# Altium PCB EDR Project pcb.PcbDoc (continued)
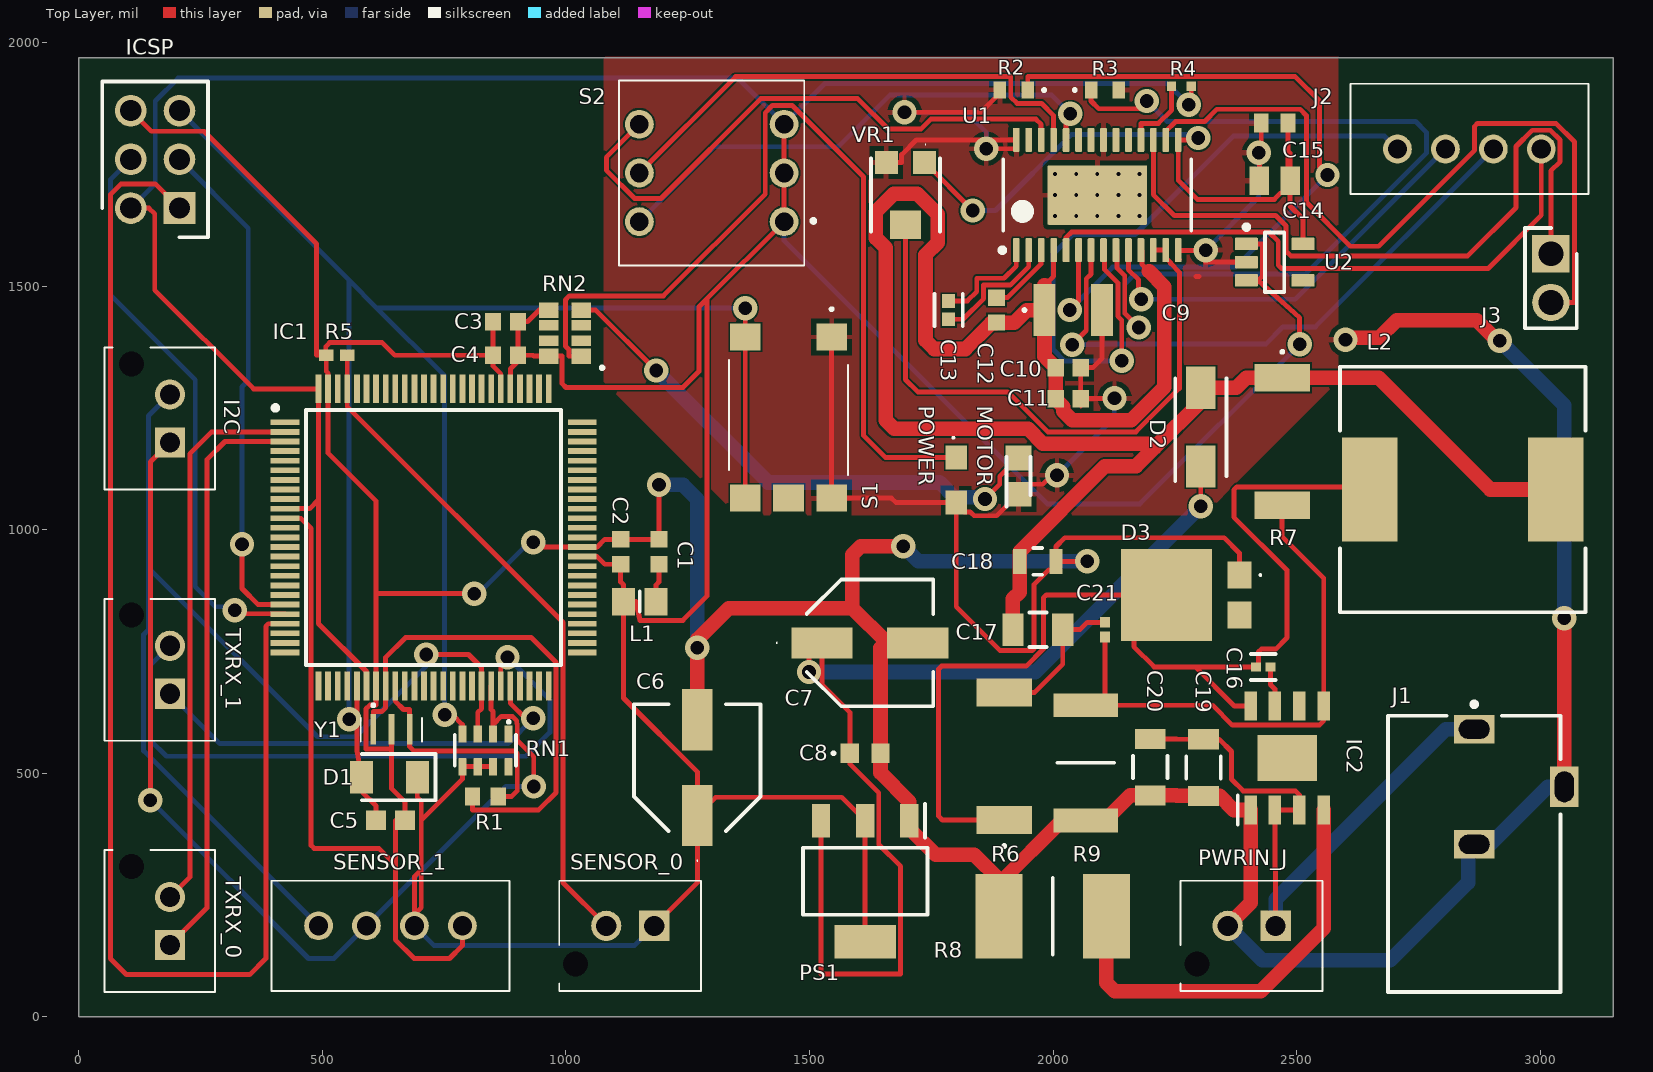
[diagram p0: Top Layer view]
## Part data (continued)
D2: "Integrated Circuit", Manufacturer_Name="Comchip Technology", Mouser Part Number=750-CGRA4007-G, Arrow Part Number=CGRA4007-G, Arrow Price/Stock=https://www.arrow.com/en/products/cgra4007-g/comchip-technology, Datasheet Link=http://www.mouser.com/datasheet/2/80/CGRA4001-G_Thru647977._CGRA4007-G_RevE-1481051.pdf, Height=2.29mm, Manufacturer_Part_Number=CGRA4007-G, Mouser Price/Stock=https://www.mouser.co.uk/ProductDetail/Comchip-Technology/CGRA4007-G?qs=tw%252BuQ%2FB6PO1Jgp22ji8v0g%3D%3D
D3: "Diode", Arrow Part Number=V8P12-M3/86A, Manufacturer_Name=Vishay, Mouser Part Number=78-V8P12-M3/86A, Arrow Price/Stock=https://www.arrow.com/en/products/v8p12-m386a/vishay?region=nac, Datasheet Link=https://www.vishay.com/docs/89170/v8p12.pdf, Height=1.2mm, Manufacturer_Part_Number=V8P12-M3/86A, Mouser Price/Stock=https://www.mouser.co.uk/ProductDetail/Vishay-General-Semiconductor/V8P12-M3-86A?qs=HSPD0Bff7iYR%2FGS73JOLOg%3D%3D, Name="Schottkey diode"
I2C PWRIN_J SENSOR_0 TXRX_0 TXRX_1: "Connector", Arrow Part Number=B2B-XH-AM(LF)(SN), Manufacturer_Name="JST (JAPAN SOLDERLESS TERMINALS)", Arrow Price/Stock=https://www.arrow.com/en/products/b2b-xh-am-lf-sn/jst-manufacturing?region=europe, Datasheet Link=https://www.jst-mfg.com/product/pdf/eng/eXH.pdf, Height=7mm, Manufacturer_Part_Number=B2B-XH-AM(LF)(SN), Name=2-JST
IC1: "Integrated Circuit", Manufacturer_Name=Microchip, Mouser Part Number=556-ATMEGA2560-16AUR, Arrow Part Number=ATMEGA2560-16AUR, Arrow Price/Stock=https://www.arrow.com/en/products/atmega2560-16aur/microchip-technology?region=nac, Datasheet Link=http://ww1.microchip.com/downloads/en/DeviceDoc/Atmel-2549-8-bit-AVR-Microcontroller-ATmega640-1280-1281-2560-2561_datasheet.pdf, Height=1.2mm, Manufacturer_Part_Number=ATMEGA2560-16AUR, Mouser Price/Stock=https://www.mouser.co.uk/ProductDetail/Microchip-Technology/ATMEGA2560-16AUR?qs=6Dg1WZIWLC5tcX5fO8xzXQ%3D%3D
IC2: "Integrated Circuit", Manufacturer_Name="Texas Instruments", Mouser Part Number=595-LM5012DDAR, Arrow Part Number=LM5012DDAR, Arrow Price/Stock=https://www.arrow.com/en/products/lm5012ddar/texas-instruments?region=nac, Datasheet Link=https://www.ti.com/lit/ds/symlink/lm5012.pdf?ts=1682242115443&ref_url=https%253A%252F%252Fwww.ti.com%252Fproduct%252FLM5012, Height=1.7mm, Manufacturer_Part_Number=LM5012DDAR, Mouser Price/Stock=https://www.mouser.co.uk/ProductDetail/Texas-Instruments/LM5012DDAR?qs=T%252BzbugeAwjjzO1eNFM2OsQ%3D%3D
ICSP: "Connector", Manufacturer_Name="Adam Tech", Arrow Part Number=PH2-06-UA, Arrow Price/Stock=https://www.arrow.com/en/products/ph2-06-ua/adam-tech?region=nac, Datasheet Link=https://datasheet.datasheetarchive.com/originals/distributors/Datasheets_SAMA/c63e3fe101e7b6e3957e7ad4a1a98367.pdf, Height=9.008mm, Manufacturer_Part_Number=PH2-06-UA
J1: library part CMP-2000-06901-1, "Through Hole Right Angle DC Power Jack, 5 A, 2.5 mm Center Pin, 3 Position, -25 to 85 degC, RoHS, Bulk", Current Rating=5A, Flammability Rating=UL94V-0, Insulation Resistance=100MOhms, Manufacturer=CUIInc., Operating Temperature Range=-25Cto+85C, Package Description="3-Pin Through Hole Device, Body 14.4 x 9 mm, Height 11 mm", Voltage Rating=24V, Brand=CUI, Connector Type=DCPowerJack, Contact Gender=Male, Contact Material=Copper, Contact Plating=Nickel, Datasheet URL=http://www.cui.com/product/resource/pj-102bh.pdf, Datasheet Version="Rev. 1.02, 05/2016", Factory Pack Quantity=280, Housing Material=PolybutyleneTerephthalate(PBT), Inside Contact Diameter=2.5mm, Manufacturer URL=http://www.cui.com/, Mounting Angle=Right, Mounting Style=ThroughHole, Mounting Technology=ThroughHole, Name=PWRIN, Outside Contact Diameter=6.5mm, Package Reference=PJ-102BH, Product=Jacks, Product Category=DCPowerConnectors, RoHS=True, Termination Style=ThroughHole
J2 SENSOR_1: "Connector", Arrow Part Number=B4B-XH-A(LF)(SN), Manufacturer_Name="JST (JAPAN SOLDERLESS TERMINALS)", Arrow Price/Stock=https://www.arrow.com/en/products/b4b-xh-a-lf-sn/jst-manufacturing?region=europe, Datasheet Link=https://datasheet.lcsc.com/szlcsc/JST-Sales-America-B4B-XH-A-LF-SN_C144395.pdf, Height=7mm, Manufacturer_Part_Number=B4B-XH-A(LF)(SN)
  J2: Name=STEPPER
  SENSOR_1: Name="PRESSURE SENSOR"
J3: "Connector", Manufacturer_Name="Wurth Elektronik", Mouser Part Number=710-61300211121, Datasheet Link=https://componentsearchengine.com/Datasheets/2/61300211121.pdf, Height=8.54mm, Manufacturer_Part_Number=61300211121, Mouser Price/Stock=https://www.mouser.co.uk/ProductDetail/Wurth-Elektronik/61300211121?qs=t4813l51qx%252B1A5GYDQxPlw%3D%3D
L1: "Inductor", Manufacturer_Name=Bourns, Mouser Part Number=652-CV201210-100K, Arrow Part Number=CV201210-100K, Arrow Price/Stock=https://www.arrow.com/en/products/cv201210-100k/bourns?region=nac, Datasheet Link=https://www.bourns.com/docs/Product-Datasheets/CV201210.pdf, Height=1.45mm, Manufacturer_Part_Number=CV201210-100K, Mouser Price/Stock=https://www.mouser.co.uk/ProductDetail/Bourns/CV201210-100K?qs=k2%252BVLg4AuuRLt64STpwovw%3D%3D
L2: library part CMP-2000-07148-2, "FIXED IND 33UH 3.5A 57 MOHM SMD", Case/Package=Nonstandard, Current Rating=3.5A, DC Resistance (DCR)=57mR, Frequency=9.5MHz, Inductance=33uH, Inductance Tolerance=20%, Max Operating Temperature=125°C, Min Operating Temperature=-40°C, Package Quantity=400, Resistance=57MR, Resistor Type=Wirewound, Saturation Current=3.3A, Test Frequency=100kHz, Core Material=Ferrite, DC Current=3.5A, Depth=12.8mm, Height=7.5mm, Height - Seated (Max)=0.315inch, Length=12.5mm, Material=Steel, Max DC Current=3.5A, Military Standard=Not, Mount="Surface Mount", Number of Pins=2, Packaging="Tape and Reel", Q Factor=28, Radiation Hardening=No, REACH SVHC="No SVHC", RMS Current (Irms)=3.5A, RoHS Compliant=Yes, Sample Rate (Hz)=100kHz, Self Resonant Frequency=9.5MHz, Series=SRR1280, Shielding=Shielded, Termination=SMD/SMT, Tolerance=20%, Width=12.5mm
MOTOR: "LED", COLOR=GREEN, Manufacturer_Name=Kingbright, Mouser Part Number=N/A, Arrow Part Number=KPT-2012SGC, Arrow Price/Stock=https://www.arrow.com/en/products/kpt-2012sgc/kingbright?region=europe, Datasheet Link=https://componentsearchengine.com/Datasheets/2/KPT-2012SGC.pdf, Height=1.2mm, Manufacturer_Part_Number=KPT-2012SGC, Mouser Price/Stock=https://www.mouser.co.uk/ProductDetail/Kingbright/KPT-2012SGC?qs=2JU0tDl2GZ3Evsz5LVxRxw%3D%3D
POWER: "LED", Arrow Part Number=APT2012SECK/J3-PRV, COLOR=RED, Manufacturer_Name=Kingbright, Mouser Part Number=604-APT2012SECKJ3PRV, Arrow Price/Stock=https://www.arrow.com/en/products/apt2012seckj3-prv/kingbright?region=nac, Datasheet Link=https://www.mouser.de/datasheet/2/216/APT2012SECK-J3-PRV-1173389.pdf, Height=0.85mm, Manufacturer_Part_Number=APT2012SECK/J3-PRV, Mouser Price/Stock=https://www.mouser.co.uk/ProductDetail/Kingbright/APT2012SECK-J3-PRV?qs=D2TOvUWgdJ6T9J6WfI%252BQOg%3D%3D
PS1: "Power Supply", Arrow Part Number=SPX1117M3-L-5-0/TR, Manufacturer_Name=EXAR, Mouser Part Number=701-SPX1117M3-L-50TR, Arrow Price/Stock=https://www.arrow.com/en/products/spx1117m3-l-5-0tr/exar, Datasheet Link=https://datasheet.datasheetarchive.com/originals/distributors/Datasheets-DGA25/1769206.pdf, Height=1.7mm, Manufacturer_Part_Number=SPX1117M3-L-5-0/TR, Mouser Price/Stock=https://www.mouser.com/Search/Refine.aspx?Keyword=701-SPX1117M3-L-50TR, Name="REG IC"
R1: library part CMP-2000-00706-1, Manufacturer=Panasonic, Part Number=ERJ-3GEYJ105V
R2 R3: "Resistor", Manufacturer_Name=Panasonic, Mouser Part Number=667-ERJ-3RSFR10V, Resistance=0.1ohm, Arrow Part Number=ERJ-3RSFR10V, Arrow Price/Stock=https://www.arrow.com/en/products/erj-3rsfr10v/panasonic?region=nac, Datasheet Link=http://industrial.panasonic.com/cdbs/www-data/pdf/RDN0000/AOA0000C313.pdf, Manufacturer_Part_Number=ERJ-3RSFR10V, Mouser Price/Stock=https://www.mouser.co.uk/ProductDetail/Panasonic/ERJ-3RSFR10V?qs=aGgfWYEhH7mX3YEBaR1Eig%3D%3D
R4: "Resistor", Manufacturer_Name=Panasonic, Mouser Part Number=667-ERA-2AEB152X, Resistance=1.5k, Arrow Part Number=ERA-2AEB152X, Arrow Price/Stock=https://www.arrow.com/en/products/era-2aeb152x/panasonic?region=nac, Datasheet Link=http://industrial.panasonic.com/cdbs/www-data/pdf/RDM0000/AOA0000C307.pdf, Height=0.4mm, Manufacturer_Part_Number=ERA-2AEB152X, Mouser Price/Stock=https://www.mouser.co.uk/ProductDetail/Panasonic/ERA-2AEB152X?qs=YFwoyZoVY0iUWeAxCO29sQ%3D%3D
R5: "Resistor", Manufacturer_Name=KEMET, Mouser Part Number=603-RC0402FR-074K7L, Resistance=4.7k, Arrow Part Number=RC0402FR-074K7L, Arrow Price/Stock=https://www.arrow.com/en/products/rc0402fr-074k7l/yageo, Datasheet Link=http://www.yageo.com/documents/recent/PYu-RC0402_51_RoHS_L_6_r.pdf, Height=0.4mm, Manufacturer_Part_Number=RC0402FR-074K7L, Mouser Price/Stock=https://www.mouser.co.uk/ProductDetail/YAGEO/RC0402FR-074K7L?qs=V1yeUXFNrkn%2FmCXC8N8TTA%3D%3D
R6 R7: "Resistor", Manufacturer_Name=Panasonic, Resistance=453k, Datasheet Link=https://industrial.panasonic.com/cdbs/www-data/pdf/RDP0000/AOA0000C334.pdf, Height=0.7mm, Manufacturer_Part_Number=ERJ-S1TD4533U
R8: "Resistor", Manufacturer_Name="TE Connectivity", Resistance=100k, Datasheet Link=https://www.te.com/commerce/DocumentDelivery/DDEController?Action=srchrtrv&DocNm=1773204-5&DocType=Data%20Sheet&DocLang=English&PartCntxt=3-2176402-2&DocFormat=pdf, Height=1.2mm, Manufacturer_Part_Number=3540100KJT
R9: "Resistor", Manufacturer_Name=Vishay, Mouser Part Number=71-CRCW2512-49.9K-E3, Resistor=49.9k, Datasheet Link=http://www.vishay.com/docs/20035/dcrcwe3.pdf, Height=0.7mm, Manufacturer_Part_Number=CRCW251249K9FKEG, Mouser Price/Stock=https://www.mouser.com/Search/Refine.aspx?Keyword=71-CRCW2512-49.9K-E3
RN1: "Resistor Network", Manufacturer_Name=Bourns, Mouser Part Number=652-CAY16-103J4GLF, Arrow Part Number=CAY16-103J4GLF, Arrow Price/Stock=https://www.arrow.com/en/products/cay16-103j4glf/bourns, Datasheet Link=http://www.bourns.com/docs/Product-Datasheets/CATCAY.pdf, Manufacturer_Part_Number=CAY16-103J4GLF, Mouser Price/Stock=https://www.mouser.co.uk/ProductDetail/Bourns/CAY16-103J4GLF?qs=ehdiChDUEdVKSWacpiiZig%3D%3D
RN2: "Resistor Network", Manufacturer_Name=Bourns, Mouser Part Number=652-CAY16-102J4LF, Arrow Part Number=CAY16-102J4LF, Arrow Price/Stock=https://www.arrow.com/en/products/cay16-102j4lf/bourns?region=europe, Datasheet Link=http://www.bourns.com/docs/Product-Datasheets/CATCAY.pdf, Manufacturer_Part_Number=CAY16-102J4LF, Mouser Price/Stock=https://www.mouser.co.uk/ProductDetail/Bourns/CAY16-102J4LF?qs=LCMWAU1DZcxTp%252BoNHGBb3Q%3D%3D
S1: "Switch", Manufacturer_Name="TE Connectivity", Mouser Part Number=506-1571636-3, Datasheet Link=https://www.mouser.com/datasheet/2/418/NG_CD_1571636_C2-652439.pdf, Height=2.5mm, Manufacturer_Part_Number=1571636-3, Mouser Price/Stock=https://www.mouser.co.uk/ProductDetail/TE-Connectivity-Alcoswitch/1571636-3?qs=9qK3lZr%252Bi0Iiy0ZiPH8Cfg%3D%3D, Name="RESET BTN"
S2: "Switch", Manufacturer_Name="C & K COMPONENTS", Mouser Part Number=611-BD03, Arrow Part Number=BD03, Arrow Price/Stock=https://www.arrow.com/en/products/bd03/ck?region=nac, Datasheet Link=https://www.ckswitches.com/media/1331/bd.pdf, Manufacturer_Part_Number=BD03, Mouser Price/Stock=https://www.mouser.co.uk/ProductDetail/CK/BD03?qs=mh%2FGhdZp9qUYvDBbhZvRdQ%3D%3D, Name="DIP SWITCH"
U1: library part CMP-1685-00019-1, "Stepper Motor Controller IC, 8.2 to 45 V, -40 to 85 degC, 28-Pin HTSSOP (PWP), Green (RoHS & no Sb/Br), Tube", Capacitance="47 uF", Case\Package=Radial, Max Operating Temperature="85 degC", Min Operating Temperature="-40 degC", Package Quantity=200, Tolerance=20%, Voltage Rating="100 V", ComponentLink1Description="Manufacturer URL", ComponentLink1URL=http://www.ti.com/, ComponentLink2Description=Datasheet, ComponentLink2URL=http://www.ti.com/general/docs/lit/getliterature.tsp?genericPartNumber=DRV8825&fileType=pdf, DatasheetVersion="SLVSA73F, 07/2014", Diameter="8 mm", Height="11.5 mm", Lead Pitch="3.5 mm", Length="11.5 mm", Mount="Through Hole", PackageDescription="28-Pin Small Outline Package Integrated Circuit, Body 9.7 x 4.4 mm, Pitch 0.65 mm", PackageReference=PWP0028C, Packaging=Bulk, Pins=2, Radiation Hardening=No, REACH SVHC="No SVHC", RoHSCompliant=true, Voltage Rating (DC)="100 V", Width="8 mm"
U2: library part CMP-0758-00080-2, "Single Output Low Noise LDO, 150 mA, Fixed 3.3 V Output, 1.5% Tolerance, 2.2 to 16 V Input, Low IQ, 5-Pin SOT-23 (DBV), -40 to 125 degC, Green (RoHS & no Sb/Br), Tape and Reel", Manufacturer="Texas Instruments", Operating Temperature Range (degC)="-40 to 125", Accuracy (%)=1.5, ComponentLink1Description="Manufacturer URL", ComponentLink1URL=http://www.ti.com/, ComponentLink2Description=Datasheet, ComponentLink2URL=http://www.ti.com/lit/ds/symlink/lp2985-50.pdf, ComponentLink3Description="Package Specification", ComponentLink3URL=http://www.ti.com/litv/pdf/mpds018j, DatasheetVersion=SLVS522N, Fixed Output Options (V)=3.3, Iout (Max) (A)=0.15, Iq (Typ) (mA)=0.85, Mounting Technology="Surface Mount", Name="5V TO 3.3V REG", Output Options="Fixed Output", PackageDescription="5-Pin Plastic Small Outline, Body 2.9 x 1.6 mm, Pitch 0.95 mm", PackageReference=DBV0005A, PackageVersion=4073253-4/L, Packing="Tape and Reel", PartNumber=LP2985-33DBVR, RoHS=TRUE, Vdo (Typ) (mV)=280, Vin (V)="2.2 to 16"
VR1: "Variable Resistor", Manufacturer_Name=Bourns, Mouser Part Number=652-TC33X-2-103E, Arrow Part Number=TC33X-2-103E, Arrow Price/Stock=https://www.arrow.com/en/products/tc33x-2-103e/bourns?region=nac, Datasheet Link=https://www.bourns.com/pdfs/TC33.pdf, Height=1.2mm, Manufacturer_Part_Number=TC33X-2-103E, Mouser Price/Stock=https://www.mouser.co.uk/ProductDetail/Bourns/TC33X-2-103E?qs=fmZCN1JtwVHu68GrI%2FXOWQ%3D%3D, Name="Variable Res."
Y1: "Crystal or Oscillator", Manufacturer_Name="Murata Electronics", Mouser Part Number=81-CSTCE16M0V53-R0, Datasheet Link=https://www.murata.com/en-sg/products/productdetail?partno=CSTCE16M0V53-R0, Height=1mm, Manufacturer_Part_Number=CSTCE16M0V53-R0, Mouser Price/Stock=https://www.mouser.co.uk/ProductDetail/Murata-Electronics/CSTCE16M0V53-R0?qs=HPA2Xx%252BU0WhPWbRcNuzhZw%3D%3D

## Via types
v1: diameter 50, hole 28, Top Layer to Bottom Layer, 41 vias
v2: diameter 19.68, hole 7.87, Top Layer to Bottom Layer, 15 vias

## Nets (pads, with @x,y where several pads share a name; then routed paths per layer and width w, separated by ;. In a path a pad name is that pad's centre, name@x,y a point inside that pad or via, vN(x,y) a via of type N, cw(c..) or ccw(c..) an arc to the next point about the centre after c; other vN are vias at no path point)
3V3: C14.1 C15.1 U1.15 U2.5 VR1.1 | length 1380.5
  Top Layer w10: VR1.1 v1(1834.94,1655.22) ; v1(2298,1804) 2294.2,1800.2 U1.15 2256.89,1717.11 2296,1678 2454,1678 2482.28,1706.28 2482.28,1776.94 ; C15.1 2482.28,1776.94 ; U2.5 2512.8,1638 2486.22,1664.57 C14.1 2486.22,1773 2482.28,1776.94
  Bottom Layer w10: v1(1834.94,1655.22) 1881.6,1655.22 2037.4,1811.02 2290.98,1811.02 v1(2298,1804)
+12: C9.1 C10.2 C11.2 C12.2 C17.2 C18.1 D2.2 L2.2 R7.1 U1.4 U1.11 | length 4149.9
  Top Layer w10: C9.1@1982.28,1502 2000.99,1520.7 U1.4 ; U1.11 2182.01,1571.93 2182.01,1544.99 2196.79,1530.21
  Top Layer w30: C17.2 1917.29,858 1931.1,871.81 C18.1 1931.1,955.1 2106,1130 2170,1130 2207.99,1167.99 ; C9.1@1982.28,1502 C9.1 ; 2196.79,1530.21 2228,1499 2228,1292.96 2159.83,1224.79 2039.46,1224.79 2020.9,1243.35 2020.9,1252.5 2005.45,1267.95 C10.2 2005,1332.68 1982.28,1355.39 C9.1 ; L2.2 2897.32,1082.68 2667.99,1312.01 R7.1 2396.67,1312.01 2376,1291.34 D2.2 2303.15,1263.15 2207.99,1167.99 ; C9.1 1945.59,1450.79 1920,1425.2 C12.2 1882.13,1423.46 1872.46,1423.46 1820,1371 1755.57,1371 1738,1388.57 1738,1564 1763,1589 1763,1647.73 1720.73,1690 1672.97,1690 1636,1653.03 1636,1598.94 1656,1578.94 1656,1224.57 1673.57,1207 1948.78,1207 1978.99,1176.79 2199.2,1176.79 2207.99,1167.99
AOUT1: J2.4 U1.5 | length 1247.2
  Top Layer w10: U1.5 2026.58,1600 2037.58,1611 2443,1611 2462,1592 2462,1543.07 2469.07,1536 2892.54,1536 3001.97,1645.43 J2.4
AOUT2: J2.3 U1.7 | length 1240.9
  Top Layer w10: v1(2039,1380) 2068,1409 2068,1515 2077.76,1524.76 U1.7
  Bottom Layer w10: v1(2039,1380) 2105.56,1380 2106.78,1381.22 2161.69,1381.22 2161.92,1381 2436.55,1381 2471.85,1416.29 2538.34,1416.29 J2.3
BOUT1: J2.2 U1.10 | length 863.7
  Top Layer w10: U1.10 2154.53,1533.86 2175.39,1513 2175.39,1478.61 v1(2181,1473)
  Bottom Layer w10: v1(2181,1473) 2496.62,1473 J2.2
BOUT2: J2.1 U1.8 | length 1407.2
  Top Layer w10: U1.8 2105.24,1571.93 2105.24,1534.46 2133,1506.7 2133,1438.2 2140.78,1430.42 v1(2140.78,1347.22)
  Bottom Layer w10: v1(2140.78,1347.22) 2139.55,1346 2024,1346 2000,1370 2000,1566 2040,1606 2168,1606 2370,1808 2680.19,1808 J2.1
GND: C1.1 C2.1 C3.1 C4.1 C5.1 C6.2 C7.2 C8.2 C9.2 C10.1 C11.1 C14.2 C15.2 C18.2 C19.2 C20.2 D3.1 IC1.11 IC1.32 IC1.62 IC1.81 IC1.99 IC2.1 ICSP.6 J1.2 J1.3 MOTOR.1 POWER.2 PS1.1 PWRIN_J.2 R2.2 R3.2 R5.2 R8.2 R9.2 S1.1 S1.2 SENSOR_1.1 U1.14 U1.21 U1.28 U1.29 U2.2 VR1.3 Y1.2 | length 14447.5
  Top Layer w10: ICSP.6 148.97,1818 257,1818 488,1587 488,1358.27 R5.2@507,1358.27 ; IC1.11 456,1023.62 477,1002.62 477,352 483,346 616,346 650,312 ; Y1.2 641.73,550 ; 697,120 688.39,120 650,158.39 650,312 ; 698,120 761,120 787.4,146.4 SENSOR_1.1 ; v1(811.95,868.95) 610.24,868.95 ; C3.1 C4.1 ; IC1.81 866.14,1320 850.39,1335.75 C4.1 ; v1(933,974) 942.43,964.57 IC1.62 1064,964.57 1079.75,980.32 C2.1 C1.1 v1(1190.94,1092.52) ; S1.1 S1.2 1668,1064.96 1676.86,1056.1 POWER.2 ; VR1.3 1688.94,1753.94 1688.94,1769.94 1719,1800 U1.28@1924.21,1800 ; v1(1695,1857) 1851.75,1857 1890.75,1896 R2.2 ; v1(1863,1782) 1924.21,1782 U1.28@1924.21,1800 ; U1.28 U1.28@1924.21,1800 ; v1(2007.87,1112.2) 1997.05,1112.2 1978.24,1093.39 1949.72,1093.39 MOTOR.1 1928.15,1072.8 1884.03,1028.68 1837.75,1028.68 1829.94,1036.5 1817.83,1036.5 1801.18,1053.15 POWER.2 ; C11.1@2056.63,1253.94 C11.1@2056.63,1267.95 ; v1(2070,935) C18.2 C18.2 ; C9.2 2100.4,1352 2081.07,1332.68 C10.1 C11.1 C11.1@2056.63,1267.95 ; v1(2125.98,1269.68) 2058.36,1269.68 C11.1@2056.63,1267.95 ; U1.14@2256.89,1573 2312,1573 v1(2313,1574) ; U1.14 2256.89,1556.1 2258.78,1554.21 U1.14@2259.05,1554.21 ; 2293.26,1520 2300,1520 ; v1@2313,1549.21 U2.2 ; D3.1 2382.48,952 2350.85,983.63 2024,983.63 2005.9,965.54 C18.2 ; C14.2 2423.23,1773 2427.17,1776.94 C15.2 ; R5.2@507,1358.27 507,1376 515,1384 623,1384 648.73,1358.27 C4.1 ; R5.2@507,1358.27 R5.2 507.87,1324.94 511.81,1321 IC1.99 511.81,1157.19 610.24,1058.76 610.24,868.95 ; 610.24,868.95 IC1.32 610.24,640.61 598.03,640.61 589.42,632 589.42,550 641.73,550 ; 641.73,550 641.73,469.27 669.29,441.71 C5.1 650,403.54 650,312 ; POWER.2 1801.18,842 1891.18,752 1957,752 1960.97,755.97 1960.97,888 1990.97,918 2005.9,918 C18.2
  Top Layer w30: C6.2 1269.68,774.68 1334,839 1587.81,839 ; v1(1692,966) 1605.38,966 1587.81,948.43 1587.81,839 ; C7.2 1659.28,767.72 ; R8.2 R8.2@1888.84,273.91 ; PWRIN_J.2 2405.31,234.05 IC2.1 2371.02,424.72 2342,453.74 C19.2 2253.98,453.74 2253,454.72 C20.2 2158.18,454.72 2107,403.54 R9.2 2018.47,403.54 R8.2@1888.84,273.91 ; v1(2600,1390) 2603.83,1393.83 2668.83,1393.83 2705,1430 2869.02,1430 2911.22,1387.8 v1(2916.63,1387.8) ; J1.3 v1(3049.21,818.63) ; 1587.81,839 1588,839 1659.28,767.72 ; 1659.28,767.72 1656,767.72 1645.67,757.39 C8.2 1645.67,501.05 1704.72,442 PS1.1 1704.72,386.81 1758.9,332.63 1838.37,332.63 1888.84,282.16 R8.2@1888.84,273.91
  Bottom Layer w10: v1(811.95,868.95) 819.95,868.95 925,974 v1(933,974) ; v1(1695,1857) 1822,1857 1863,1816 v1(1863,1782) ; v2(2003.94,1643.7) v2(2003.94,1687.01) v2(2047.25,1687.01) ; v2(2003.94,1730.31) v2(2047.25,1730.31) v2(2090.55,1730.31) ; v1(2007.87,1112.2) 2125.35,1229.68 2125.35,1269.05 v1(2125.98,1269.68) ; v2(2047.25,1643.7) v2(2047.25,1687.01) ; v2(2090.55,1643.7) v2(2090.55,1687.01) ; v2(2177.17,1643.7) v2(2133.86,1643.7) v2(2133.86,1687.01) ; v2(2177.17,1687.01) v2(2133.86,1687.01) ; v2(2177.17,1730.31) v2(2133.86,1730.31) v2(2090.55,1730.31) ; v1(2313,1574) 2422,1683 v1(2422,1774) ; v2(2047.25,1687.01) v2(2090.55,1687.01) ; v2(2090.55,1687.01) v2(2090.55,1730.31) ; v2(2090.55,1687.01) v2(2133.86,1687.01)
  Bottom Layer w30: v1(1190.94,1092.52) 1240.16,1092.52 1269.68,1062.99 v1(1269.68,757.87) ; v1(1692,966) 1723,935 v1(2070,935) ; PWRIN_J.2 2429.28,116 2692,116 2852,276 2852,354.33 J1.2 2897,354.33 3015.11,472.44 J1.3 ; v1(2916.63,1387.8) 3049.21,1255.22 v1(3049.21,818.63)
MODE0: S2.2 U1.24 | length 1065
  Top Layer w10: U1.24 2026.58,1845.58 v1(2035,1854)
  Bottom Layer w10: S2.2 1304.31,1786 1559,1786 1665,1892 1997,1892 v1(2035,1854)
MODE1: S2.4 U1.25 | length 1039.8
  Top Layer w10: S2.4 1348.31,1930 1913,1930 1913,1888 1926,1875 1976,1875 2000.99,1850.01 U1.25
MODE2: S2.6 U1.26 | length 1193.9
  Top Layer w10: S2.6 1083,1764.69 1083,1738 1141,1680 1195,1680 1399.99,1884.99 1598.79,1884.99 1661,1822.78 1729,1822.78 1749,1842.78 1964.62,1842.78 1975.4,1832 U1.26
NetC1_2: C1.2 L1.1 | length 79.2
  Top Layer w10: L1.1 1185.04,887 1190.94,892.9 C1.2
NetC7_1: C7.1 C8.1 D2.1 PS1.3 | length 2337.7
  Top Layer w10: v1(1499,708) 1499,767.72 C7.1 1525.59,682.09 1582.68,625 C8.1 1582.68,519.32 1642,460 1642,354 1687,309 1687,88 1523.62,88 PS1.3 ; v1(2302.94,1048) 2302.94,1129.71 D2.1
  Bottom Layer w30: v1(1499,708) 1963.15,708 2302.94,1047.79 v1(2302.94,1048)
NetC12_1: C12.1 U1.3 | length 148.4
  Top Layer w10: C12.1 1906.07,1476.38 1975.4,1545.71 U1.3
NetC13_1: C13.1 U1.2 | length 259.4
  Top Layer w10: C13.1 1815,1431.95 1857.14,1474.08 1857.14,1502.11 1912,1502.11 1949.8,1539.92 U1.2
NetC13_2: C13.2 U1.1 | length 217.1
  Top Layer w10: C13.2 1824,1469.63 1843.14,1488.77 1843.14,1516.11 1899.11,1516.11 1924.21,1541.21 U1.1
NetC16_1: C16.1 D3.3 IC2.8 L2.1 R6.1 | length 2317.2
  Top Layer w10: R6.1 1772.94,403.96 1764.94,411.96 1764.94,714.14 1770.8,720 1944.8,720 1980,755.2 1980,860.24 1985.86,866.1 D3.3@2232.64,866.1 ; D3.3 2165.62,799.08 2165.62,759.96 2207.11,718.46 2291.54,718.46 ; IC2.8 2371.73,638.27 2291.54,718.46 ; C16.1 2291.54,718.46 ; C16.1 2417.04,718.5 2421.34,722.8 2421.34,749.14 2427.2,755 2456.75,755 2480,778.25 2480,917 2371,1026 2371,1082.1 2376.86,1087.96 2644.32,1087.96 L2.1
NetC16_2: C16.2 IC2.7 | length 84.1
  Top Layer w10: C16.2 2446.01,682.31 2455.31,673 IC2.7
NetC17_1: C17.1 C21.2 R6.2 | length 308
  Top Layer w10: R6.2 1961.53,665.81 2019.72,724 C17.1 2055,794.98 2069.96,809.94 C21.2
NetC19_1: C19.1 C20.1 IC2.2 IC2.3 J1.1 PWRIN_J.1 | length 1313.4
  Top Layer w10: C20.1 2253,570.87 2253.98,569.88 C19.1 2341,569.88 2366,544.88 2366,488 2390,464 2497.31,464 2505.31,456 IC2.3 IC2.2 2455.31,306.38 2456.69,305 PWRIN_J.1
  Bottom Layer w30: PWRIN_J.1 2456.69,241.69 2805.55,590.55 J1.1
NetC21_1: C21.1 IC2.5 R7.2 R9.1 | length 1127.3
  Top Layer w10: R9.1 R9.1@2106.3,639.76 ; C21.1 R9.1@2106.3,639.76 ; R7.2 2470,1050.2 2470,986 2555.31,900.69 IC2.5 2555.31,608 2546.31,599 2368,599 2327.24,639.76 R9.1@2106.3,639.76
NetIC1_2: IC1.2 TXRX_0.2 | length 1140.7
  Top Layer w10: TXRX_0.2 228,287.06 228,1156 272.79,1200.79 IC1.2
NetIC1_3: IC1.3 TXRX_0.1 | length 1203.4
  Top Layer w10: TXRX_0.1 263,223.63 263,1144 300.1,1181.1 IC1.3
NetIC1_13: IC1.13
NetIC1_33: IC1.33 R1.1 Y1.1 | length 1037.3
  Top Layer w10: Y1.1 604.33,626.61 621.92,626.61 629.92,634.61 IC1.33 629.92,737.92 670.75,778.75 928.73,778.75 979.47,728 979.47,460.27 944.21,425 808.07,425 R1.1
NetIC1_34: IC1.34 R1.2 Y1.3 | length 490.9
  Top Layer w10: IC1.34 649.61,648 666.61,631 679.13,631 Y1.3 679.13,554.87 688,546 895,546 900,541 900,464 888.76,452.76 R1.2
NetIC1_45: IC1.45 TXRX_1.2 | length 1319
  Top Layer w10: IC1.45 866.14,724.14 v1(880,738)
  Bottom Layer w10: TXRX_1.2 147,721.76 147,568 180,535 918,535 967,584 967,651 v1(880,738)
NetIC1_46: IC1.46 TXRX_1.1 | length 905
  Top Layer w10: IC1.46 885.83,644.17 917,613 v1(933,613)
  Bottom Layer w10: TXRX_1.1 289.37,560.99 880.99,560.99 v1(933,613)
NetIC1_78: IC1.78
NetIC1_97: IC1.97 R5.1 SENSOR_0.2 | length 1391.4
  Top Layer w10: R5.1 IC1.97 551.18,1252.82 994,810 994,275.69 SENSOR_0.2
NetIC2_4: IC2.4 R8.1 | length 885.4
  Top Layer w30: R8.1 2109.32,70.57 2126.89,53 2426,53 2555.31,182.31 IC2.4
NetMOTOR_2: MOTOR.2 RN2.7 | length 1103.1
  Top Layer w10: RN2.7 1061,1450.79 v1(1185,1326.79) ; v1(1860.24,1062.99) 1890.43,1093.19 1890.43,1109.89 1928.15,1147.61 MOTOR.2
  Bottom Layer w30: v1(1185,1326.79) 1414.79,1097 1766.83,1097 1797.01,1066.82 1856.41,1066.82 v1(1860.24,1062.99)
NetPOWER_1: POWER.1 RN2.1 | length 1819.6
  Top Layer w10: RN2.1 1006,1356.3 1006,1370 999,1377 999,1472 1007,1480 1200,1480 1409,1689 1409,1856 1423.99,1870.99 1464.01,1870.99 1611,1724 1611,1193 1655.38,1148.62 POWER.1
NetR2_1: R2.1 U1.6 | length 1580.1
  Top Layer w10: R2.1 1947.84,1930 2497,1930 2547,1880 2547,1744 v1(2563,1728) ; v1(2034,1451) 2052.17,1469.17 U1.6
  Bottom Layer w10: v1(2034,1451) 2122.05,1539.05 2374.05,1539.05 v1(2563,1728)
NetR3_1: R3.1 U1.9 | length 1803.3
  Top Layer w10: R3.1 2077.76,1880 2093.76,1864 2176,1864 v1(2192,1880) ; U1.9 2130.83,1571.93 2130.83,1537.76 2147,1521.59 2147,1444 v1(2176,1415)
  Bottom Layer w10: v1(2176,1415) 2147,1444 2147,1504.05 2168,1525.05 2518.05,1525.05 2766,1773 2766,1816 2744,1838 2234,1838 v1(2192,1880)
NetR4_2: R4.2 U1.18 | length 157.3
  Top Layer w10: U1.18 2180.12,1834 2216,1834 2243.15,1861.15 R4.2
NetU1_12: U1.12 U1.13 VR1.2 | length 1283.4
  Top Layer w10: VR1.2 1696.85,1308.15 1721.98,1283.02 1906.7,1283.02 1988.93,1200.79 2169.77,1200.79 2259,1290.02 2259,1324 2259,1528.66 2241,1546.65 2241,1548.35 2235.14,1554.21 2233.19,1554.21 2231.3,1556.1 U1.13 U1.12
NetU1_20: U1.20
NetU1_22: U1.22
PB1: IC1.20 ICSP.3 | length 1046.6
  Top Layer w10: v1(335,970) 335,879.46 368,846.46 IC1.20
  Bottom Layer w10: ICSP.3 348,1618.97 348,1306.4 335,1293.4 v1(335,970)
PB2: IC1.21 ICSP.4 | length 1174.1
  Top Layer w10: v1(320,835) 327.32,827.68 422.32,827.68 IC1.21
  Bottom Layer w10: ICSP.4 65,1718.58 65,1482 239,1308 239,883 280,842 313,842 v1(320,835)
PB3: IC1.22 ICSP.1 | length 2809.1
  Top Layer w10: ICSP.1 156.97,1710 87,1710 65,1688 65,120 98,87 351,87 384,120 384,802 389.09,807.09 IC1.22
RESET_MCU: C5.2 D1.2 IC1.30 ICSP.5 RN1.7 S1.3 S1.4 | length 3888
  Top Layer w10: v1(555,611) v1@570.87,626.87 ; IC1.30 v1@570.87,626.87 ; C5.2 610.24,433 580.71,462.53 D1.2 570.87,545.9 v1@570.87,626.87 ; v1(751,620) 767.4,620 787.4,600 RN1.7 ; S1.4 S1.3 v1(1368.11,1455)
  Bottom Layer w10: ICSP.5 555,1511.97 ; v1(555,611) 555,1511.97 ; v1(751,620) 751,1315.97 611.97,1455 ; v1(1368.11,1455) 611.97,1455 ; 555,1511.97 611.97,1455
RESET_MOTOR_DRIVER: J3.2 U1.16 | length 1622.6
  Top Layer w10: U1.16 2231.3,1818 2251.3,1838 2311.15,1838 2336.15,1863 2507,1863 2520,1850 2520,1672 2610,1582 2668,1582 2865.02,1779.02 2865.02,1828.17 2870.87,1834.02 3032,1834.02 3070,1796.02 3070,1466.54 J3.2
SCL: I2C.2 IC1.43 RN1.5 SENSOR_1.4 | length 2324
  Top Layer w10: v1(713,744) 800,744 826.77,717.23 IC1.43 826.77,632.87 818.9,625 RN1.5
  Bottom Layer w10: I2C.2 143,1233.47 143,922 ; SENSOR_1.4 133,546.13 133,785 143,795 143,922 ; v1(713,744) 713,720 568,575 490,575 143,922
SDA: I2C.1 IC1.44 RN1.3 SENSOR_1.3 | length 2127.7
  Top Layer w10: v1(147,444.54) 147,1139.05 I2C.1 ; IC1.44 846.46,630.94 850.39,627 850.39,600 ; RN1.3 850.39,600 ; v1(934,473) 934,534 900,568 900,601 899,602 899,608 890,617 867.39,617 850.39,600
  Bottom Layer w10: v1(147,444.54) 471.54,120 523.54,120 SENSOR_1.3 876.54,473 v1(934,473)
SLEEP: J3.1 U1.17 | length 1459.6
  Top Layer w10: U1.17 2205.71,1688 2248.71,1645 2457,1645 2478,1624 2478,1572 2488,1562 2851,1562 2950,1661 2950,1786.56 2983.46,1820.02 3020.47,1820.02 3040.5,1800 3040.5,1755.5 3021.65,1736.65 J3.1
VCC: C2.2 C3.2 C4.2 C6.1 D1.1 IC1.10 IC1.31 IC1.61 IC1.80 IC1.100 ICSP.2 L1.2 PS1.2 PS1.4 R4.1 RN1.4 RN1.6 RN1.8 RN2.2 RN2.8 S2.1 S2.3 S2.5 SENSOR_0.1 SENSOR_1.2 U2.1 U2.3 | length 10409.5
  Top Layer w10: ICSP.2 144,1660.28 156,1648.28 156,1492 359,1289 IC1.100@492.13,1289 ; IC1.10 474,1043.31 492.13,1061.43 ; IC1.100 IC1.100@492.13,1289 ; IC1.31 590.55,709 492.13,807.43 492.13,1061.43 ; SENSOR_1.2 SENSOR_1.2@688.98,216 ; D1.1 694.88,451 703,442.88 703,403.6 ; RN1.4 RN1.6 RN1.8 787.4,488 703,403.6 ; IC1.80 885.83,1330 901.57,1345.75 C4.2 ; RN2.8 944.62,1450.79 921,1427.17 C3.2 C4.2 ; IC1.61 1064,944.88 1079.75,929.13 C2.2 1112.2,892.91 1118.11,887 L1.2 ; SENSOR_0.1 1269.68,275.59 C6.1 ; S2.5 S2.3 S2.1 1289.37,1473.82 ; PS1.4 PS1.2 1565.73,451 1307.3,451 C6.1 ; v1(2278,1872) 2283.47,1877.47 R4.1 ; U2.3 2420.81,1511.81 ; U2.1 2430,1586.61 2430,1521 2420.81,1511.81 ; v1(2506,1381) 2506,1435 2420.81,1511.81 ; 492.13,1061.43 IC1.100@492.13,1289 ; SENSOR_1.2@688.98,216 695,216 703,224 703,302 ; SENSOR_1.2@688.98,216 688.98,287.98 703,302 ; 703,302 703,403.6 ; C4.2 932,1358.27 933.97,1356.3 RN2.2 992,1356.3 992,1300 1000,1292 1240,1292 1273,1325 1273,1457.45 1289.37,1473.82 ; L1.2 1144,852.36 1152,814 1240,814 1289.37,863.37 1289.37,1473.82 ; L1.2 1118.11,654.57 1269.68,503 C6.1
  Bottom Layer w10: ICSP.2 157,1710.58 157,1880 204,1927 1353.12,1927 S2.5 1531.55,1916 2234,1916 v1(2278,1872) ; SENSOR_1.2 728.98,147 1141.09,147 SENSOR_0.1 ; S2.1 1447.9,1632.22 1447.9,1593.44 1988.19,1053.15 2178.15,1053.15 v1(2506,1381)
pads on no net: D3.2 I2C.MH1 IC1.1 IC1.4 IC1.5 IC1.6 IC1.7 IC1.8 IC1.9 IC1.12 IC1.14 IC1.15 IC1.16 IC1.17 IC1.18 IC1.19 IC1.23 IC1.24 IC1.25 IC1.26 IC1.27 IC1.28 IC1.29 IC1.35 IC1.36 IC1.37 IC1.38 IC1.39 IC1.40 IC1.41 IC1.42 IC1.47 IC1.48 IC1.49 IC1.50 IC1.51 IC1.52 IC1.53 IC1.54 IC1.55 IC1.56 IC1.57 IC1.58 IC1.59 IC1.60 IC1.63 IC1.64 IC1.65 IC1.66 IC1.67 IC1.68 IC1.69 IC1.70 IC1.71 IC1.72 IC1.73 IC1.74 IC1.75 IC1.76 IC1.77 IC1.79 IC1.82 IC1.83 IC1.84 IC1.85 IC1.86 IC1.87 IC1.88 IC1.89 IC1.90 IC1.91 IC1.92 IC1.93 IC1.94 IC1.95 IC1.96 IC1.98 IC2.6 IC2.9 PWRIN_J.MH1 RN1.1 RN1.2 RN2.3 RN2.4 RN2.5 RN2.6 S1.5 SENSOR_0.MH1 TXRX_0.MH1 TXRX_1.MH1 U1.19 U1.23 U1.27 U2.4

## Polygon pours and split planes (outlines as drawn)
GND on Bottom Layer "GND_L02_P001" (solid, pour order 1): 1082.21,1966.49 1082.21,1302.79 1356.32,1028.68 2313.68,1028.68 2590,1305 2590,1970
GND on Top Layer "GND_L01_P000" (solid, pour order 0): 1078.56,1968.06 1077.82,1967.33 1077.82,1303.62 1351.93,1029.52 2309.29,1029.52 2585.61,1305.83 2585.61,1970.83 1080.61,1970.83